# KiCad board keypad.kicad_pcb
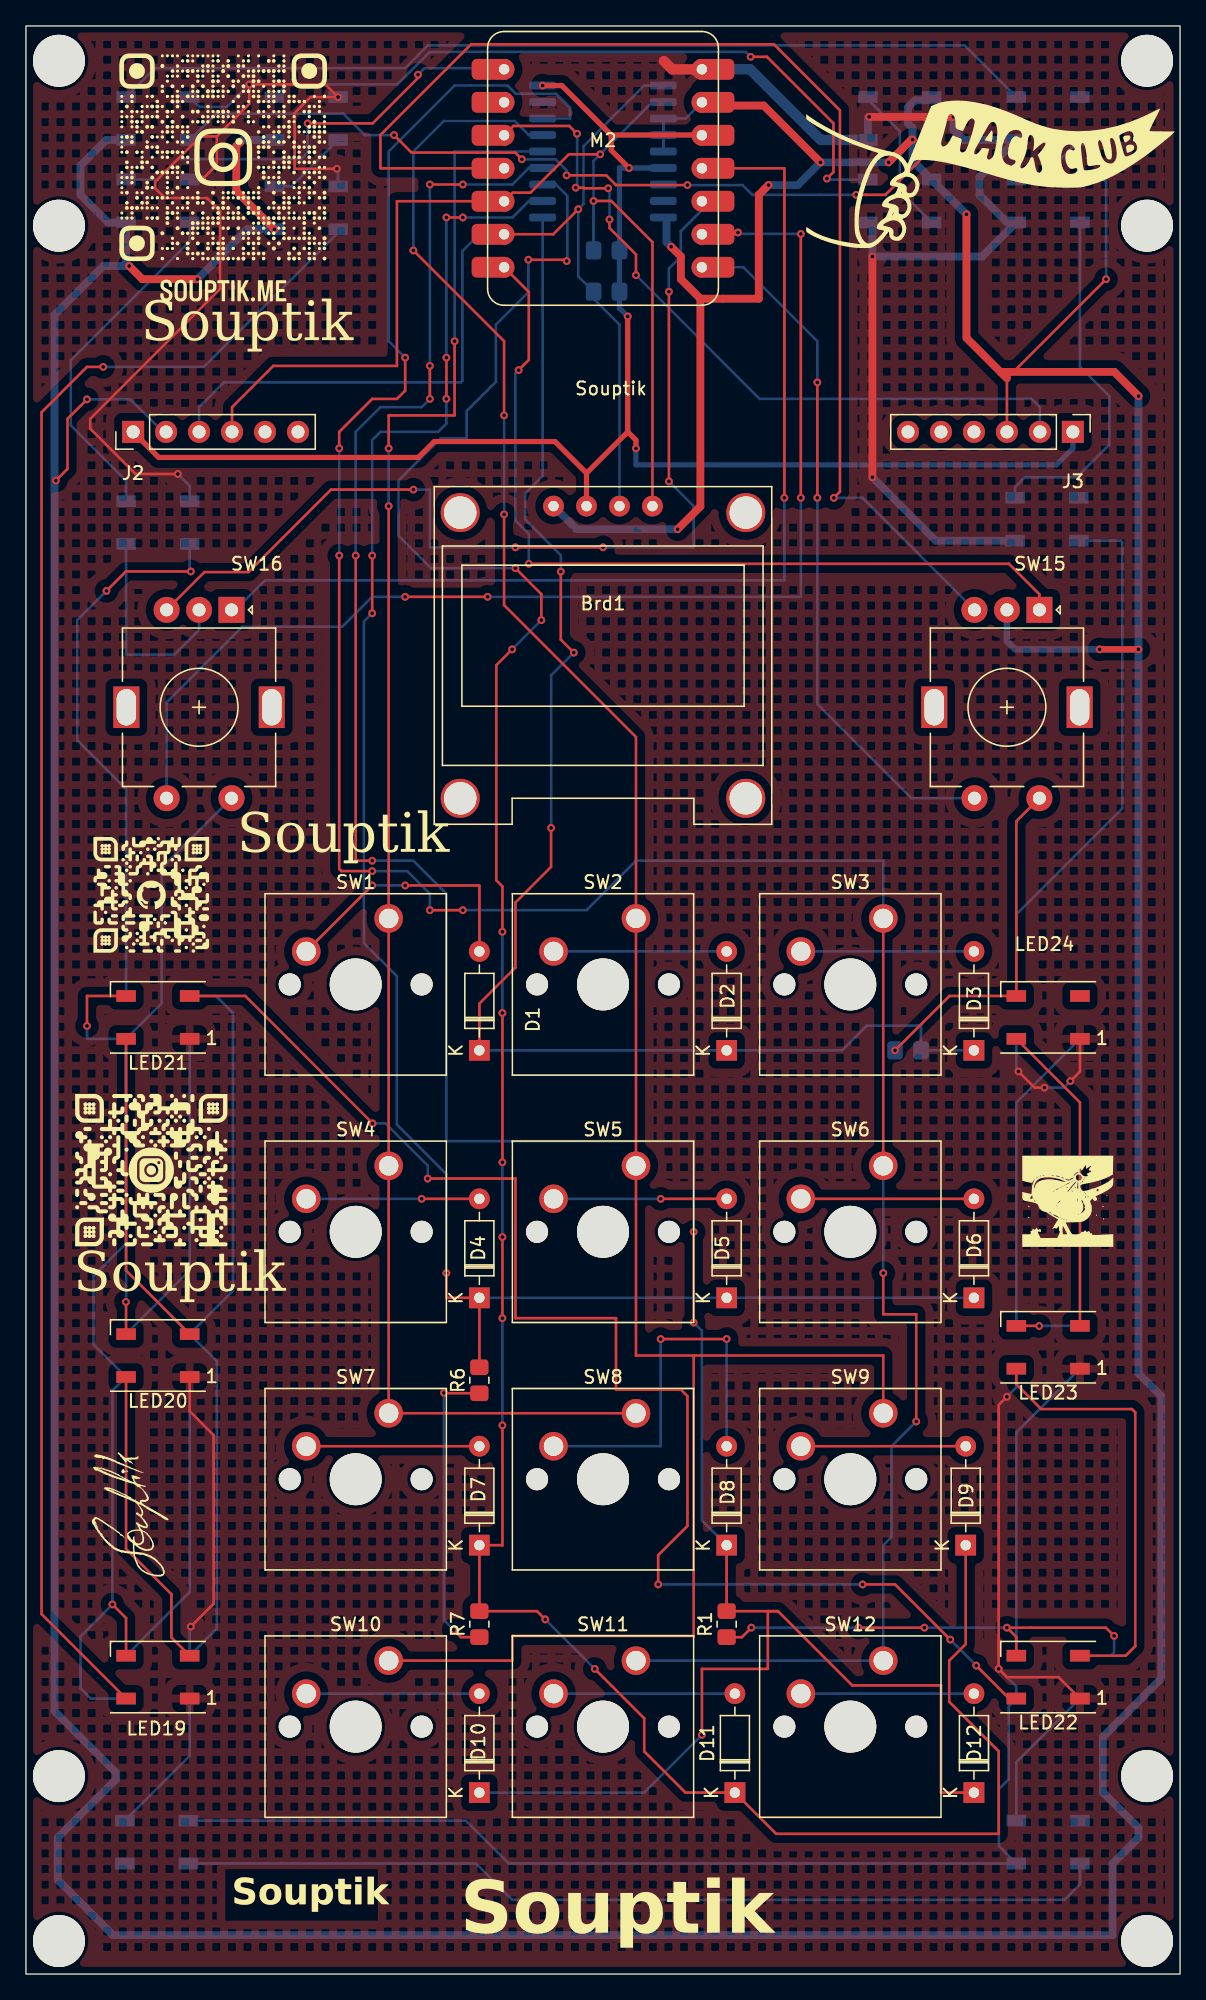
[diagram p0: board, top side]
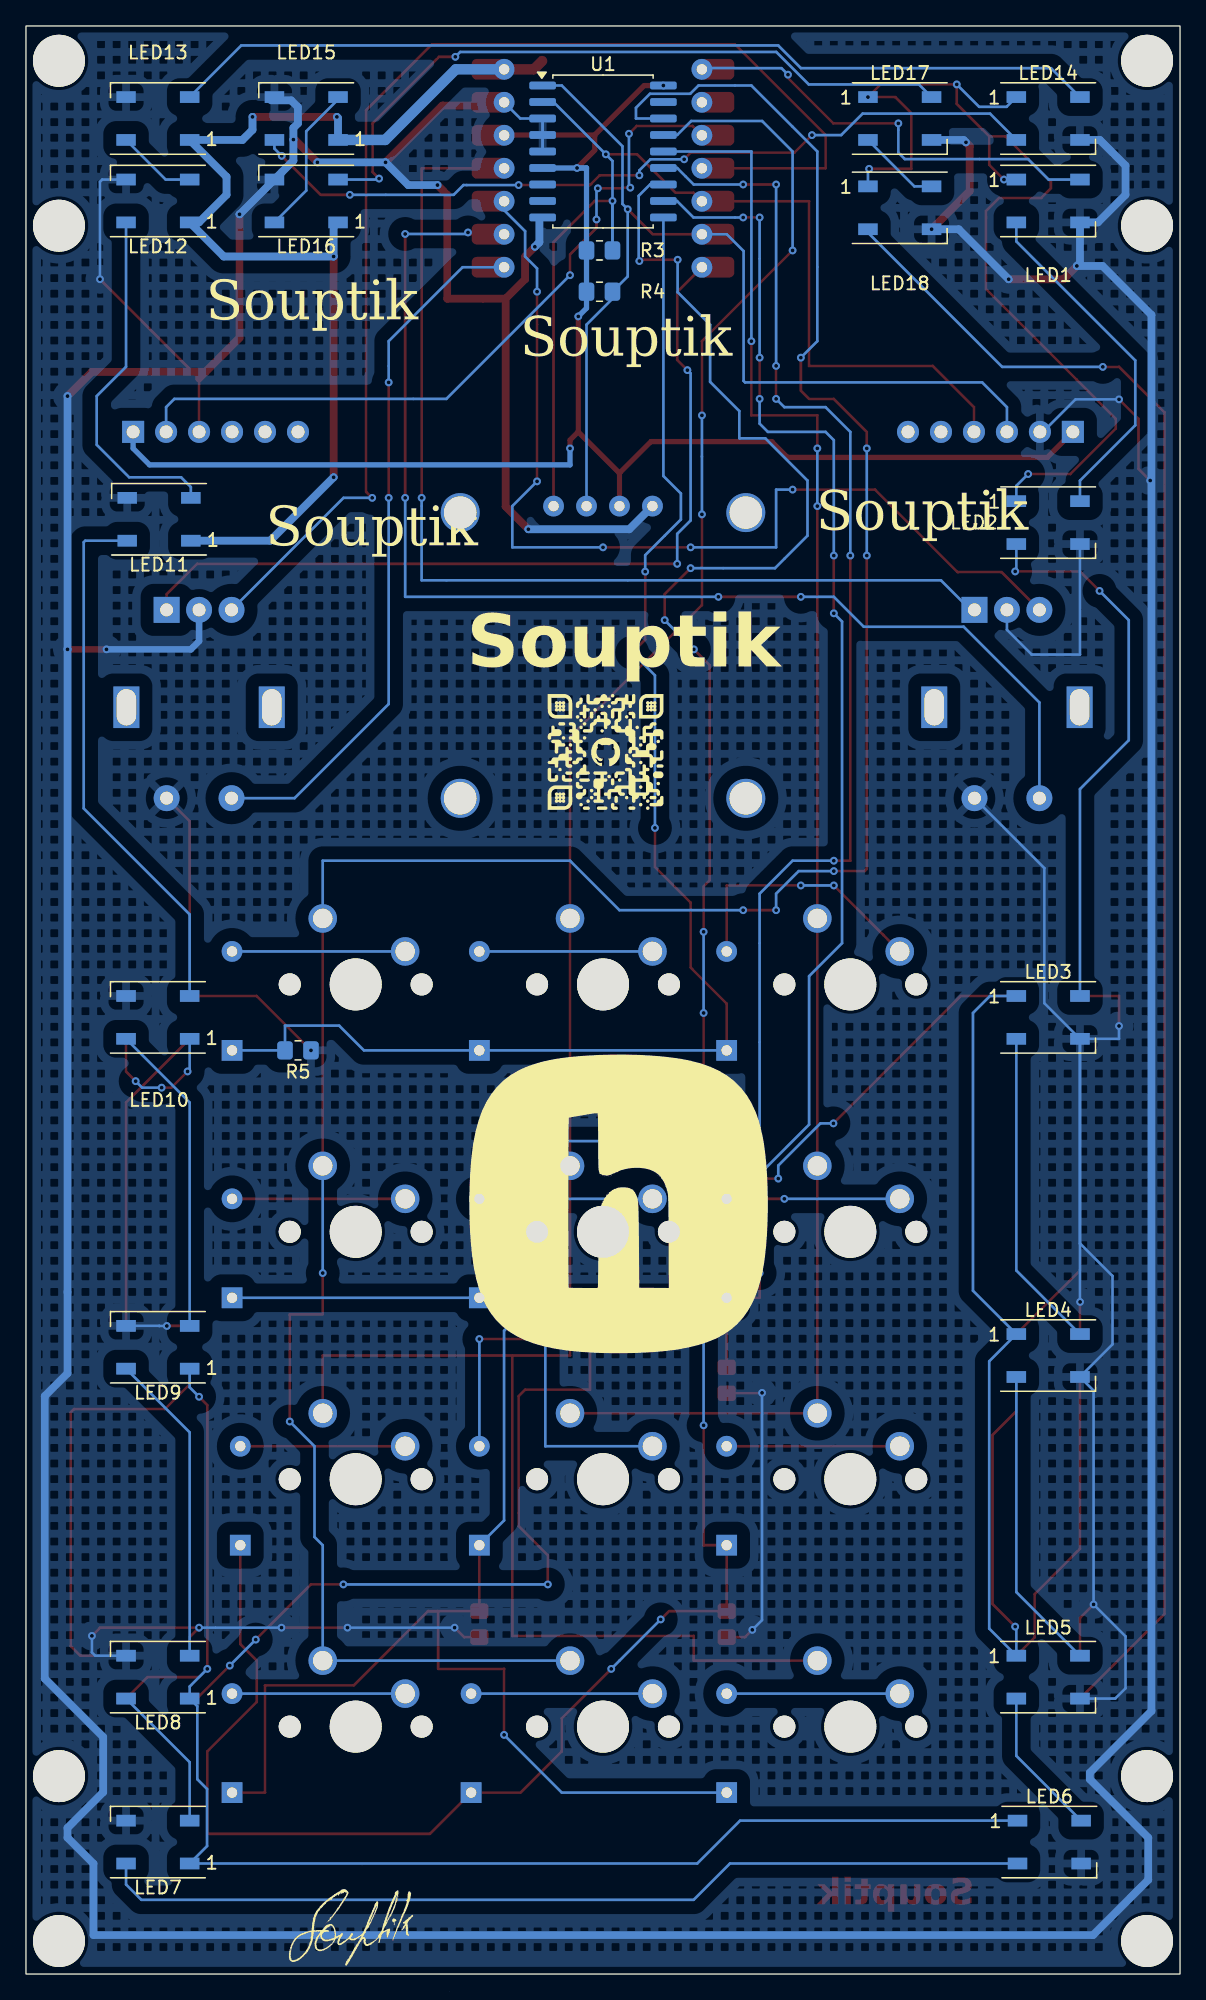
[diagram p1: board, bottom side, seen from below]

Outline 88.9 x 150 mm; copper layers: Top, Bottom. Coordinates in mm from the lower left corner of the outline.
Outline path: rectangle 0,150 88.9,0

## Placement (name value [footprint] x y rotation side)
Brd1  SSD1306  [SSD1306_0.96_Oled]  31.45 88.53 0 top
D1  D  [D_DO-35_SOD27_P7.62mm_Horizontal]  34.92 71.12 90 top
D2  D  [D_DO-35_SOD27_P7.62mm_Horizontal]  53.98 71.12 90 top
D3  D  [D_DO-35_SOD27_P7.62mm_Horizontal]  73.02 71.12 90 top
D4  D  [D_DO-35_SOD27_P7.62mm_Horizontal]  34.92 52.07 90 top
D5  D  [D_DO-35_SOD27_P7.62mm_Horizontal]  53.98 52.07 90 top
D6  D  [D_DO-35_SOD27_P7.62mm_Horizontal]  73.02 52.07 90 top
D7  D  [D_DO-35_SOD27_P7.62mm_Horizontal]  34.92 33.02 90 top
D8  D  [D_DO-35_SOD27_P7.62mm_Horizontal]  53.98 33.02 90 top
D9  D  [D_DO-35_SOD27_P7.62mm_Horizontal]  72.39 33.02 90 top
D10  D  [D_DO-35_SOD27_P7.62mm_Horizontal]  34.92 13.97 90 top
D11  D  [D_DO-35_SOD27_P7.62mm_Horizontal]  54.61 13.97 90 top
D12  D  [D_DO-35_SOD27_P7.62mm_Horizontal]  73.02 13.97 90 top
G***  LOGO  [githubacc]  9.65 83.1 0 top
G***#2  LOGO  [instagram]  15.19 138.53 0 top
G***#3  LOGO  [souptikSign]  8.2 37.25 90 top
G***#4  LOGO  [HackclubFlag]  74.32 138.63 0 top
G***#5  LOGO  [Telescope]  80.25 59.5 0 top
G***#6  LOGO  [instagramAcc-qr]  9.65 61.9 0 top
G***#7  LOGO  [Hackclub_logo]  43.25 59.3 180 bottom
G***#8  LOGO  [souptikSign]  62 3.42 180 bottom
G***#9  LOGO  [githubacc]  44.25 94.1 180 bottom
J2  VL53L0X  [PinHeader_1x06_P2.54mm_Vertical]  8.26 118.75 90 top
J3  DHT11  [PinHeader_1x06_P2.54mm_Vertical]  80.64 118.75 270 top
LED1  WS2812B  [LED_WS2812B_PLCC4_5.0x5.0mm_P3.2mm]  10.16 136.53 180 bottom
LED2  WS2812B  [LED_WS2812B_PLCC4_5.0x5.0mm_P3.2mm]  10.16 111.76 180 bottom
LED3  WS2812B  [LED_WS2812B_PLCC4_5.0x5.0mm_P3.2mm]  10.16 73.66 180 bottom
LED4  WS2812B  [LED_WS2812B_PLCC4_5.0x5.0mm_P3.2mm]  10.16 47.62 180 bottom
LED5  WS2812B  [LED_WS2812B_PLCC4_5.0x5.0mm_P3.2mm]  10.16 22.86 180 bottom
LED6  WS2812B  [LED_WS2812B_PLCC4_5.0x5.0mm_P3.2mm]  10.07 10.16 180 bottom
LED7  WS2812B  [LED_WS2812B_PLCC4_5.0x5.0mm_P3.2mm]  78.74 10.16 0 bottom
LED8  WS2812B  [LED_WS2812B_PLCC4_5.0x5.0mm_P3.2mm]  78.74 22.86 0 bottom
LED9  WS2812B  [LED_WS2812B_PLCC4_5.0x5.0mm_P3.2mm]  78.74 48.26 0 bottom
LED10  WS2812B  [LED_WS2812B_PLCC4_5.0x5.0mm_P3.2mm]  78.74 73.66 0 bottom
LED11  WS2812B  [LED_WS2812B_PLCC4_5.0x5.0mm_P3.2mm]  78.65 112.02 0 bottom
LED12  WS2812B  [LED_WS2812B_PLCC4_5.0x5.0mm_P3.2mm]  78.74 136.53 0 bottom
LED13  WS2812B  [LED_WS2812B_PLCC4_5.0x5.0mm_P3.2mm]  78.74 142.88 0 bottom
LED14  WS2812B  [LED_WS2812B_PLCC4_5.0x5.0mm_P3.2mm]  10.16 142.88 180 bottom
LED15  WS2812B  [LED_WS2812B_PLCC4_5.0x5.0mm_P3.2mm]  67.31 142.88 0 bottom
LED16  WS2812B  [LED_WS2812B_PLCC4_5.0x5.0mm_P3.2mm]  67.31 136.53 0 bottom
LED17  WS2812B  [LED_WS2812B_PLCC4_5.0x5.0mm_P3.2mm]  21.59 142.88 180 bottom
LED18  WS2812B  [LED_WS2812B_PLCC4_5.0x5.0mm_P3.2mm]  21.59 136 180 bottom
LED19  WS2812B  [LED_WS2812B_PLCC4_5.0x5.0mm_P3.2mm]  10.16 22.86 180 top
LED20  WS2812B  [LED_WS2812B_PLCC4_5.0x5.0mm_P3.2mm]  10.16 47.62 180 top
LED21  WS2812B  [LED_WS2812B_PLCC4_5.0x5.0mm_P3.2mm]  10.16 73.66 180 top
LED22  WS2812B  [LED_WS2812B_PLCC4_5.0x5.0mm_P3.2mm]  78.74 22.86 180 top
LED23  WS2812B  [LED_WS2812B_PLCC4_5.0x5.0mm_P3.2mm]  78.74 48.26 180 top
LED24  WS2812B  [LED_WS2812B_PLCC4_5.0x5.0mm_P3.2mm]  78.74 73.66 180 top
M2  MOUDLE-SEEEDUINO-XIAO  [RP2040]  35.56 128.49 0 top
NOREF  -  [unnamed]  86.36 134.62 0 top
NOREF#2  -  [unnamed]  86.36 147.32 0 top
NOREF#3  -  [unnamed]  86.36 2.54 180 top
NOREF#4  -  [unnamed]  2.54 2.54 180 top
NOREF#5  -  [unnamed]  2.54 15.24 180 top
NOREF#6  -  [unnamed]  86.36 15.24 180 top
NOREF#7  -  [unnamed]  2.54 147.32 0 top
NOREF#8  -  [unnamed]  2.54 134.62 0 top
R1  10K  [R_0805_2012Metric_Pad1.20x1.40mm_HandSolder]  53.98 26.94 90 top
R3  4.7K  [R_0805_2012Metric_Pad1.20x1.40mm_HandSolder]  44.72 132.72 180 bottom
R4  4.7K  [R_0805_2012Metric_Pad1.20x1.40mm_HandSolder]  44.72 129.54 180 bottom
R5  10K  [R_0805_2012Metric_Pad1.20x1.40mm_HandSolder]  67.95 71.12 0 bottom
R6  10K  [R_0805_2012Metric_Pad1.20x1.40mm_HandSolder]  34.92 45.72 90 top
R7  10K  [R_0805_2012Metric_Pad1.20x1.40mm_HandSolder]  34.92 26.94 90 top
SW1  SW_Push_45deg  [SW_Cherry_MX_1.00u_PCB]  27.94 81.28 0 top
SW2  SW_Push_45deg  [SW_Cherry_MX_1.00u_PCB]  46.99 81.28 0 top
SW3  SW_Push_45deg  [SW_Cherry_MX_1.00u_PCB]  66.04 81.28 0 top
SW4  SW_Push_45deg  [SW_Cherry_MX_1.00u_PCB]  27.94 62.23 0 top
SW5  SW_Push_45deg  [SW_Cherry_MX_1.00u_PCB]  46.99 62.23 0 top
SW6  SW_Push_45deg  [SW_Cherry_MX_1.00u_PCB]  66.04 62.23 0 top
SW7  SW_Push_45deg  [SW_Cherry_MX_1.00u_PCB]  27.94 43.18 0 top
SW8  SW_Push_45deg  [SW_Cherry_MX_1.00u_PCB]  46.99 43.18 0 top
SW9  SW_Push_45deg  [SW_Cherry_MX_1.00u_PCB]  66.04 43.18 0 top
SW10  SW_Push_45deg  [SW_Cherry_MX_1.00u_PCB]  27.94 24.13 0 top
SW11  SW_Push_45deg  [SW_Cherry_MX_1.00u_PCB]  46.99 24.13 0 top
SW12  SW_Push_45deg  [SW_Cherry_MX_1.00u_PCB]  66.04 24.13 0 top
SW15  RotaryEncoder_Switch  [RotaryEncoder_Alps_EC11E-Switch_Vertical_H20mm]  78.07 105.04 270 top
SW16  RotaryEncoder_Switch  [RotaryEncoder_Alps_EC11E-Switch_Vertical_H20mm]  15.84 105.04 270 top
U1  MCP23008-xSO  [SOIC-18W_7.5x11.6mm_P1.27mm]  44.45 140.34 180 bottom

## Library data of the parts
Brd1 = -: Description: SSD1306 OLED; ki_fp_filters: SSD1306-128x64_OLED:SSD1306
D1-D12 = -: Description: Diode; Sim.Pins: 1=K 2=A; ki_fp_filters: TO-???* *_Diode_* *SingleDiode* D_*
J2 J3 = -: Description: Generic connector, single row, 01x06, script generated; ki_fp_filters: Connector*:*_1x??_*
LED1-LED24 = -: Datasheet: https://cdn-shop.adafruit.com/datasheets/WS2812B.pdf; Description: RGB LED with integrated controller; ki_fp_filters: LED*WS2812*PLCC*5.0x5.0mm*P3.2mm*
R1 R3-R7 = -: Description: Resistor; ki_fp_filters: R_*
SW1-SW12 = -: Description: Push button switch, normally open, two pins, 45° tilted
SW15 SW16 = -: Description: Rotary encoder, dual channel, incremental quadrate outputs, with switch; ki_fp_filters: RotaryEncoder*Switch*
U1 = -: Datasheet: http://ww1.microchip.com/downloads/en/DeviceDoc/MCP23008-MCP23S08-Data-Sheet-20001919F.pdf; Description: 8-bit I/O expander, I2C, interrupts, SOIC-18; ki_fp_filters: SOIC*7.5x11.6mm*P1.27mm*

## Footprints (pads in the part's own frame, mm; a bottom-side part is the same pattern mirrored in y, then rotated)
D_DO-35_SOD27_P7.62mm_Horizontal
  rect 1.6x1.6 hole 0.8: 1(0,0)
  oval 1.6x1.6 hole 0.8: 2(7.62,0)
LED_WS2812B_PLCC4_5.0x5.0mm_P3.2mm
  rect 1.5x0.9 smd: 1(-2.45,1.65) 2(-2.45,-1.65) 3(2.45,-1.65) 4(2.45,1.65)
PinHeader_1x06_P2.54mm_Vertical
  rect 1.7x1.7 hole 1: 1(0,0)
  oval 1.7x1.7 hole 1: 2(0,-2.54) 3(0,-5.08) 4(0,-7.62) 5(0,-10.16) 6(0,-12.7)
R_0805_2012Metric_Pad1.20x1.40mm_HandSolder
  rrect 1.2x1.4 smd: 1(-1,0) 2(1,0)
RotaryEncoder_Alps_EC11E-Switch_Vertical_H20mm
  rect 2x2 hole 1: A(0,0)
  round 2 hole 1: B(0,-5) C(0,-2.5) S1(14.5,-5) S2(14.5,0)
  rect 3.2x2 hole 2.8x1.5: MP(7.5,3.1) MP(7.5,-8.1)
RP2040
  round 1.6 hole 0.8: 1(1.272,18.171) 2(1.272,15.631) 3(1.272,13.091) 4(1.272,10.551) 5(1.272,8.011) 6(1.272,5.471) 7(1.272,2.931) 8(16.508,2.931) 9(16.508,5.471) 10(16.508,8.011) 11(16.508,10.551) 12(16.508,13.091) 13(16.508,15.631) 14(16.508,18.171)
  rrect 3x1.6 smd: 1(1.272,18.171) 2(1.272,15.631) 3(1.272,13.091) 4(1.272,10.551) 5(1.272,8.011) 6(1.272,5.471) 7(1.272,2.931) 8(16.508,2.931) 9(16.508,5.471) 10(16.508,8.011) 11(16.508,10.551) 12(16.508,13.091) 13(16.508,15.631) 14(16.508,18.171)
SOIC-18W_7.5x11.6mm_P1.27mm
  rrect 2.05x0.6 smd: 1(-4.65,5.08) 2(-4.65,3.81) 3(-4.65,2.54) 4(-4.65,1.27) 5(-4.65,0) 6(-4.65,-1.27) 7(-4.65,-2.54) 8(-4.65,-3.81) 9(-4.65,-5.08) 10(4.65,-5.08) 11(4.65,-3.81) 12(4.65,-2.54) 13(4.65,-1.27) 14(4.65,0) 15(4.65,1.27) 16(4.65,2.54) 17(4.65,3.81) 18(4.65,5.08)
SSD1306_0.96_Oled
  round 3 hole 2.5 unplated: (2,24) (2,2) (24,24) (24,2)
  round 1.6 hole 0.8: 1(9.19,24.5) 2(11.73,24.5) 3(14.27,24.5) 4(16.81,24.5)
SW_Cherry_MX_1.00u_PCB
  round 1.7 hole 1.7 unplated: (-7.62,-5.08) (2.54,-5.08)
  round 4 hole 4 unplated: (-2.54,-5.08)
  round 2.2 hole 1.5: 1(0,0) 2(-6.35,-2.54)
unnamed
  round 4 hole 4 unplated: (0,0)

## Nets
3.3V: Brd1.2 J2.1 J3.1 M2.12 R3.1 R4.1 U1.6 U1.18
5V: LED1.1 LED2.1 LED3.1 LED4.1 LED5.1 LED6.1 LED7.1 LED8.1 LED9.1 LED10.1 LED11.1 LED12.1 LED13.1 LED14.1 LED15.1 LED16.1 LED17.1 LED18.1 LED19.1 LED20.1 LED21.1 LED22.1 LED23.1 LED24.1 M2.14
GND: Brd1.1 J2.2 J3.3 LED1.3 LED2.3 LED3.3 LED4.3 LED5.3 LED6.3 LED7.3 LED8.3 LED9.3 LED10.3 LED11.3 LED12.3 LED13.3 LED14.3 LED15.3 LED16.3 LED17.3 LED18.3 LED19.3 LED20.3 LED21.3 LED22.3 LED23.3 LED24.3 M2.13 R1.1 R5.1 R6.1 R7.1 SW15.C SW15.S2 SW16.C SW16.S2 U1.3 U1.4 U1.5 U1.9
C0: SW1.1 SW4.1 SW7.1 SW8.1 U1.14
C1: SW2.1 SW5.1 SW9.1 SW10.1 U1.15
C2: SW3.1 SW6.1 SW11.1 SW12.1 U1.16
D2: J3.2 M2.3
DOUT0: LED4.2 LED5.4
DOUT1: LED8.2 LED9.4
DOUT1-1: LED12.2 LED13.4
DOUT2: LED16.2 LED17.4
DOUT2-1: LED20.2 LED21.4
ENC_A: M2.7 SW15.A
ENC_A1: M2.11 SW16.A
ENC_B: M2.4 SW15.B
ENC_B1: M2.10 SW16.B
ENC_SW: M2.8 SW15.S1
ENC_SW1: M2.9 SW16.S1
R0: D1.1 D2.1 D3.1 R5.2 U1.10
R1: D4.1 D5.1 D6.1 R6.2 U1.11
R2: D7.1 D9.1 D11.1 R7.2 U1.12
R3: D8.1 D10.1 D12.1 R1.2 U1.13
RGB: LED1.4 M2.1
SCL: Brd1.3 J2.3 M2.6 R4.2 U1.1
SDA: Brd1.4 J2.4 M2.5 R3.2 U1.2
Net-(D1-A): D1.2 SW1.2
Net-(D2-A): D2.2 SW2.2
Net-(D3-A): D3.2 SW3.2
Net-(D4-A): D4.2 SW4.2
Net-(D5-A): D5.2 SW5.2
Net-(D6-A): D6.2 SW6.2
Net-(D7-A): D7.2 SW7.2
Net-(D8-A): D8.2 SW8.2
Net-(D9-A): D9.2 SW9.2
Net-(D10-A): D10.2 SW10.2
Net-(D11-A): D11.2 SW11.2
Net-(D12-A): D12.2 SW12.2
Net-(LED1-DOUT): LED1.2 LED2.4
Net-(LED2-DOUT): LED2.2 LED3.4
Net-(LED3-DOUT): LED3.2 LED4.4
Net-(LED5-DOUT): LED5.2 LED6.4
Net-(LED6-DOUT): LED6.2 LED7.4
Net-(LED7-DOUT): LED7.2 LED8.4
Net-(LED10-DIN): LED9.2 LED10.4
Net-(LED10-DOUT): LED10.2 LED11.4
Net-(LED11-DOUT): LED11.2 LED12.4
Net-(LED13-DOUT): LED13.2 LED14.4
Net-(LED14-DOUT): LED14.2 LED15.4
Net-(LED15-DOUT): LED15.2 LED16.4
Net-(LED17-DOUT): LED17.2 LED18.4
Net-(LED18-DOUT): LED18.2 LED19.4
Net-(LED19-DOUT): LED19.2 LED20.4
Net-(LED21-DOUT): LED21.2 LED22.4
Net-(LED22-DOUT): LED22.2 LED23.4
Net-(LED23-DOUT): LED23.2 LED24.4

Pads without a net: J2 5 6; J3 4 5 6; LED24 2; M2 2; SW15 MP; SW16 MP; U1 7 8 17

## Via types
v1: diameter 0.6, hole 0.3, Top to Bottom, 143 vias

## Routing (per net, layer and track width the routed paths; a pad name or vN(x,y) marks a point on that pad's centre or on a via; arc(x,y) is an arc through that point)
3.3V: length 124.2
  Top w0.4: 45.09,141.6 45.09,140.43 v1(46.45,139.06) ; 45.09,141.6 52.05,141.6 M2.12 ; 45.09,141.6 41.28,145.41 v1(39.8,145.41) ; 43.18,115.57 40.75,118 31.45,118 30.23,116.78 10.23,116.78 J2.1 ; 43.18,115.57 46.36,118.75 ; 43.18,115.57 Brd1.2 ; 46.36,118.75 v1(46.36,127.63) ; 46.36,118.75 46.99,118.11 v1(46.99,117.47)
  Bottom w0.4: v1(46.36,127.63) 45.72,128.27 R4.1 R3.1 45.72,139.06 ; v1(46.45,139.06) 45.72,139.06 ; 45.72,139.06 U1.6 ; J3.1 80.64,117.47 79.38,116.2 46.99,116.2 v1(46.99,117.47)
5V: length 369.5
  Top w0.2: v1(75.57,44.45) 74.93,43.81 v1(74.93,23.5) 75.57,22.86 79.54,22.86 LED22.1 ; LED24.1 81.19,69.49 v1(80.45,68.75) ; LED20.1 12.61,43.34 14.45,41.5 14.45,28.5 v1(12.7,26.75) ; v1(76.45,69.5) 77.7,68.25 v1(78.45,68.25) ; 48.85,147.3 49.14,147.3 ; 14.7,141.5 17.2,144 v1(17.2,145.5) 23.06,145.5 v1(24.04,144.53) 21.93,144.53 20.7,143.3 20.7,139 v1(23.95,139) ; 14.7,141.5 13.45,141.5 9.95,138 9.95,137.5 10.7,136.75 13.95,136.75 14.95,135.75 14.95,129.75 4.95,119.75 4.95,119 8.45,115.5 v1(11.7,115.5) ; 14.7,141.5 14.7,139.31 v1(13.56,138.18)
  Top w0.6: v1(65.2,115.25) v1(65.2,132.25) ; v1(64.95,143) v1(71.45,143)
  Top w0.8: M2.14 49.78,146.66 49.14,147.3
  Bottom w0.2: v1(80.45,68.75) 79.95,68.25 v1(78.45,68.25) ; v1(74.93,23.5) 76.29,22.13 LED8.1 75.7,20.62 75.7,15 74.95,14.25 74.95,9.85 LED7.1 37.19,8.51 33.89,11.81 LED6.1 ; LED9.1 76.29,45.18 v1(75.57,44.45) ; v1(12.7,26.75) 12.61,26.66 LED5.1 14.7,26.6 14.7,47.19 LED4.1 15.95,52.62 15.95,74 14.64,75.31 LED3.1 ; v1(13.56,138.18) LED1.1 ; v1(23.95,139) 24.04,138.91 LED18.1 ; v1(17.2,145.5) 15.48,143.78 13.36,143.78 LED14.1 ; v1(11.7,115.5) 12.61,114.59 LED2.1 ; LED10.1 76.29,69.66 v1(76.45,69.5)
  Bottom w0.6: v1(65.2,115.25) 70.08,110.36 LED11.1 ; LED16.1 65.2,134.53 v1(65.2,132.25) 73.67,132.25 LED12.1 75.58,134.88 73.45,137 73.45,138.38 LED13.1 72.23,141.22 71.45,142 v1(71.45,143) ; LED15.1 64.86,142.91 v1(64.95,143)
  Bottom w0.8: M2.14 55.79,146.66 61.23,141.22 LED15.1
GND: length 772.4
  Top w0.2: v1(6.66,28.46) 7.71,27.41 LED19.3 ; v1(78.05,49.9) 78.04,49.91 LED23.3 ; LED20.3 7.71,51.74 v1(7.7,51.75) ; v1(2.3,115) 3.2,115.9 3.2,119.75 v1(4.7,121.25) ; v1(32.2,44.75) 32.23,44.72 R6.1 ; v1(83.82,26.03) 83.19,26.67 v1(75.57,26.67) 76.29,25.94 LED22.3 ; LED21.3 4.7,75.31 v1(4.7,73) ; R7.1 33.51,25.94 v1(32.95,26.5) ; v1(66.95,71.12) 71.14,75.31 LED24.3 76.29,88.77 SW15.S2 ; v1(64.14,26.67) v1(69.21,26.67) ; v1(83.2,130.5) 75.57,122.86 75.57,118.75 ; v1(55.88,26.67) 55.15,25.94 R1.1
  Top w0.5: v1(82.7,102) v1(85.7,102)
  Top w0.6: v1(49.7,133) 50.45,132.25 50.45,130.5 51.95,129 ; 75.07,123.36 75.57,122.86 ; 75.07,123.36 83.83,123.36 v1(85.7,121.5) ; 75.07,123.36 72.45,125.98 v1(72.45,135.5) ; v1(13.2,130.5) 8.97,130.5 v1(7.95,131.52) ; v1(16.49,141.04) 16.2,140.75 16.2,137.29 v1(19.14,134.35) ; v1(61.2,139.5) 56.83,143.87 52.32,143.87 ; v1(66.45,139.5) 68.2,141.25 v1(68.3,141.25) ; 51.95,129 51.95,113 v1(50.2,111.25) ; 51.95,129 56.45,129 56.45,137 v1(57.2,137.75)
  Bottom w0.2: SW16.S2 10.45,85.16 10.45,74.75 LED3.3 ; LED12.3 83.02,138.18 83.2,138 v1(83.2,130.5) ; v1(83.82,26.03) 83.82,24.76 83.57,24.51 LED8.3 ; LED3.3 7.71,56.26 5.2,53.75 5.2,48.49 LED4.3 6.66,44.93 v1(6.66,28.46) 4.2,26 4.2,22 4.99,21.21 LED5.3 ; LED3.3 4.7,72.01 v1(4.7,73) ; LED3.3 7.71,51.76 v1(7.7,51.75) ; LED9.3 78.64,49.91 78.63,49.9 v1(78.05,49.9) ; v1(75.57,26.67) v1(69.21,26.67) ; SW16.C 13.34,103.5 11.43,101.6 7.71,101.6 LED2.3 ; v1(32.95,26.5) 32.2,27.25 v1(32.2,44.75) ; U1.3 50.82,142.88 M2.13 ; U1.3 U1.5 U1.3 ; v1(55.88,26.67) v1(64.14,26.67) ; 10.8,118.75 10.8,118.08 10.8,118.5 8.05,121.25 v1(4.7,121.25)
  Bottom w0.5: v1(82.7,102) 76.2,102 75.57,102.64 SW15.C
  Bottom w0.6: v1(85.7,121.5) v1(85.7,102) 85.7,46.25 87.45,44.5 87.45,22.75 82.95,18.25 82.95,14 85.7,11.25 85.7,10.5 83.7,8.5 83.7,3 6.7,3 2.45,7.25 2.45,10.5 6.95,15 6.95,15.5 2.2,20.25 2.2,127.75 5.97,131.52 v1(7.95,131.52) 7.71,131.76 LED1.3 6.33,134.88 4.2,137 4.2,139.25 6.17,141.22 LED14.3 ; v1(19.14,134.35) 17.05,134.35 v1(13.2,130.5) ; Brd1.1 42.42,111.25 v1(50.2,111.25) ; 70.01,144.28 68.48,144.28 67.95,143.75 67.95,142.5 68.3,142.15 v1(68.3,141.25) 68.3,139.63 72.44,135.5 v1(72.45,135.5) ; v1(49.7,133) 49.35,133.35 49.35,135 ; LED17.3 16.67,141.22 v1(16.49,141.04) ; v1(57.2,137.75) 59.45,137.75 v1(61.2,139.5) v1(66.45,139.5)
C0: length 128.1
  Top w0.2: v1(33.02,125.73) 33.02,120.02 27.94,120.02 v1(27.94,117.47) ; v1(27.94,113.03) SW1.1 SW4.1 SW7.1 SW8.1
  Bottom w0.2: U1.14 33.02,140.34 v1(33.02,125.73) ; v1(27.94,117.47) v1(27.94,113.03)
C1: length 181.7
  Top w0.2: 51.44,47.62 46.99,47.62 SW5.1 SW2.1 46.99,95.25 36.83,105.41 v1(36.83,112.39) ; 51.44,47.62 51.44,26.03 37.47,26.03 37.47,24.13 SW10.1 ; 51.44,47.62 66.04,47.62 SW9.1 ; v1(29.84,132.72) 36.83,125.73 v1(36.83,120.02)
  Bottom w0.2: 39.8,141.6 38.73,141.6 37.66,142.68 32.19,142.68 29.84,140.34 v1(29.84,132.72) ; v1(36.83,112.39) v1(36.83,120.02)
C2: length 208.5
  Top w0.2: v1(24.13,117.47) 24.13,118.75 26.67,121.28 28.58,121.28 29.21,121.92 v1(29.21,124.46) ; v1(31.12,81.92) v1(33.66,81.92) ; v1(68.58,42.54) 68.58,50.8 66.04,50.8 v1(66.04,53.97) ; v1(24.13,109.22) 24.13,85.09 24.3,84.92 v1(26.67,84.92) ; SW6.1 SW3.1
  Bottom w0.2: v1(24.13,117.47) v1(24.13,109.22) ; v1(68.58,42.54) 66.67,40.64 66.67,33.66 66.04,33.02 SW12.1 SW11.1 ; SW6.1 v1(66.04,53.97) ; U1.16 41.91,142.88 41.91,143.7 40.83,144.78 37.73,144.78 37.1,145.41 33.02,145.41 27.94,140.34 27.94,125.73 v1(29.21,124.46) ; v1(26.67,84.92) 29.38,84.92 31.12,83.19 v1(31.12,81.92) ; v1(33.66,81.92) 43.18,81.92 46.99,85.72 66.04,85.72 SW3.1
D2: length 57.7
  Top w0.2: v1(42.45,141.7) 41.85,142.3 37.55,142.3 M2.3 ; v1(44.95,135.1) 44.95,134.45 46.99,132.41 v1(46.99,130.81) ; v1(42.35,137.55) 42.97,137.55 43.02,137.5 v1(44.85,137.5)
  Bottom w0.2: J3.2 78.11,120.65 77.47,121.28 56.52,121.28 v1(46.99,130.81) ; v1(42.45,141.7) 42.45,137.65 v1(42.35,137.55) ; v1(44.85,137.5) 44.95,137.4 v1(44.95,135.1)
DOUT0: length 23.5
  Bottom w0.2: LED5.4 12.61,29.41 LED4.2
DOUT1: length 24.1
  Bottom w0.2: LED9.4 76.29,41.71 LED8.2
DOUT1-1: length 6.2
  Bottom w0.2: LED13.4 78.14,138.18 LED12.2
DOUT2: length 54.4
  Top w0.2: v1(55.83,147.62) 57.08,147.62 62.2,142.5 62.2,138.75 v1(61.7,138.25)
  Bottom w0.2: v1(55.83,147.62) 55.45,148 31.1,148 28.6,145.5 20.12,145.5 LED17.4 ; LED16.2 61.77,138.18 v1(61.7,138.25)
DOUT2-1: length 24.8
  Top w0.2: LED21.4 7.71,54.18 LED20.2
ENC_A: length 66
  Top w0.2: SW15.A 78.07,106.24 75.72,108.58 v1(38.73,108.58) ; 36.83,131.42 38.73,129.52 38.73,124.28 v1(37.95,123.5)
  Bottom w0.2: v1(37.95,123.5) 37.7,123.25 37.7,111.93 38.73,110.89 v1(38.73,108.58)
ENC_A1: length 81.6
  Top w0.2: M2.11 58.42,139.04 v1(58.42,113.67)
  Bottom w0.2: SW16.A 16.14,105.04 18.42,107.31 58.42,107.31 v1(58.42,113.67)
ENC_B: length 96.9
  Top w0.2: v1(62.23,113.67) 62.7,114.14 62.7,143.51 57.62,148.59 34.29,148.59 27.31,141.6 27.31,139.06 27.33,139.04 M2.4
  Bottom w0.2: SW15.B 64.44,113.67 v1(62.23,113.67)
ENC_B1: length 77.4
  Top w0.2: v1(29.84,114.3) 23.5,114.3 17.14,107.95 13.75,107.95 SW16.B ; v1(44.45,109.86) v1(37.7,109.86) ; v1(49.53,114.94) v1(49.53,129.54)
  Bottom w0.2: M2.10 52.07,135.82 50.45,134.2 50.45,132.25 49.53,131.33 v1(49.53,129.54) ; v1(29.84,114.3) 31.12,114.3 31.12,109.86 v1(37.7,109.86) ; v1(49.53,114.94) 51.44,113.03 51.44,109.86 v1(44.45,109.86)
ENC_SW: length 54.3
  Top w0.2: v1(60.96,122.56) v1(60.96,113.67)
  Bottom w0.2: v1(60.96,113.67) 60.96,97.79 68.21,90.54 SW15.S1 ; v1(60.96,122.56) 60.96,125.73 55.27,131.42 52.07,131.42
ENC_SW1: length 95.3
  Top w0.2: v1(54.85,134.1) 54.71,133.96 52.07,133.96 ; v1(29.21,106.05) v1(35.56,106.05) ; v1(59.69,113.67) v1(59.69,133.99)
  Bottom w0.2: 52.09,133.99 52.07,133.96 ; v1(35.56,106.05) 59.69,106.05 v1(59.69,113.67) ; v1(29.21,106.05) 26.67,106.05 24.37,103.74 16.67,103.74 10.84,97.91 SW16.S1 ; v1(54.85,134.1) 54.96,133.99 v1(59.69,133.99)
R0: length 110.1
  Top w0.2: v1(42.2,101.75) 41.2,102.75 v1(41.2,107.98) ; D1.1 34.92,74.72 37.7,77.5 37.7,82.5 40.45,85.25 v1(40.45,88.25)
  Bottom w0.2: v1(41.2,107.98) 41.2,109.25 38.45,112 38.45,114 39.8,115.35 U1.10 ; v1(42.2,101.75) 40.45,100 v1(40.45,88.25) ; D1.1 D2.1 62.86,71.12 64.77,73.03 68.95,73.03 R5.2 D3.1
R1: length 145
  Top w0.2: v1(32.39,124.46) v1(32.39,121.28) ; v1(26.67,109.22) v1(26.67,104.78) ; v1(33.66,135.25) v1(32.39,135.25) ; v1(32.39,53.97) 32.39,52.07 D4.1 R6.2
  Bottom w0.2: v1(32.39,135.25) v1(32.39,124.46) ; D6.1 D5.1 D4.1 ; v1(26.67,109.22) 26.67,118.11 27.31,118.75 31.75,118.75 32.39,119.38 v1(32.39,121.28) ; v1(26.67,104.78) 26.03,104.14 26.03,79.38 28.58,76.83 28.58,65.41 32.39,61.59 v1(32.39,53.97) ; v1(33.66,135.25) 37.48,135.25 38.75,136.53 U1.11
R2: length 204.4
  Top w0.2: v1(36.7,62.5) v1(36.7,74) ; v1(43.81,23.5) 47.63,19.69 47.63,17.15 50.8,13.97 D11.1 57.79,10.79 74.93,10.79 74.93,17.15 71.12,20.96 71.12,24.13 72.39,25.4 D9.1 ; v1(36.7,80.25) 36.7,83.75 36.23,84.22 36.23,100.78 v1(37.45,102) ; v1(40.01,27.31) 39.37,27.94 R7.2 D7.1 36.68,33.02 36.7,33 v1(36.7,42.25) ; v1(38.7,132) 41.55,132 v1(41.65,131.9) ; v1(36.7,50.5) v1(36.7,56.75) ; v1(37.7,108.25) 39.7,106.25 v1(39.7,104.25)
  Bottom w0.2: v1(36.7,42.25) v1(36.7,50.5) ; v1(40.01,27.31) v1(43.81,23.5) ; v1(38.7,132) 38.7,129.5 36.2,127 36.2,122.6 33.95,120.35 33.95,118.25 31.95,118.25 28.7,115 28.7,110.75 31.2,108.25 v1(37.7,108.25) ; v1(36.7,74) v1(36.7,80.25) ; v1(37.45,102) v1(39.7,104.25) ; v1(36.7,56.75) v1(36.7,62.5) ; U1.12 40.82,137.8 41.7,136.92 41.7,131.95 v1(41.65,131.9)
R3: length 212.9
  Top w0.2: D8.1 R1.2 57.93,27.94 ; v1(25.4,109.22) 25.4,85.72 v1(26.67,85.72) ; 57.93,27.94 57.15,27.94 57.15,23.5 52.07,23.5 v1(52.07,18.41) ; 57.93,27.94 63.65,22.22 70.48,22.22 70.48,13.97 D12.1 ; v1(31.12,123.83) v1(31.12,121.28) ; v1(51.44,57.15) v1(51.44,50.16) ; v1(33.66,137.8) v1(31.12,137.8)
  Bottom w0.2: U1.13 38.73,139.06 37.47,137.8 v1(33.66,137.8) ; v1(31.12,121.28) 30.48,120.65 27.31,120.65 25.4,118.75 v1(25.4,109.22) ; v1(51.44,50.16) 52.07,49.53 52.07,34.93 D8.1 ; v1(51.44,57.15) 51.44,64.14 32.39,64.14 32.39,83.19 29.84,85.72 v1(26.67,85.72) ; v1(52.07,18.41) 47.63,13.97 D10.1 ; v1(31.12,137.8) v1(31.12,123.83)
RGB: length 34.2
  Top w0.2: v1(21.7,142.5) 26.7,142.5 30.2,146 v1(30.2,146.25)
  Bottom w0.2: v1(30.2,146.25) 30.7,146.75 36.75,146.75 M2.1 ; v1(21.7,142.5) 21.7,140.25 21.2,139.75 11.7,139.75 10.12,138.18 LED1.4
SCL: length 80.6
  Top w0.2: 36.83,133.96 40.62,133.96 v1(42.55,135.89)
  Bottom w0.2: J2.3 13.34,120.65 15.24,122.56 33.51,122.56 33.62,122.67 33.62,132.67 34.91,133.96 36.83,133.96 ; U1.1 47.63,145.41 42.95,140.74 42.95,136.3 v1(42.55,135.89) 42.55,130.72 R4.2 43.72,129 45.72,127 Brd1.3
SDA: length 89.9
  Top w0.2: v1(44.23,140.12) 41.82,140.12 38.86,137.16 37.49,137.16 M2.5 28.58,136.5 28.58,123.83 19.05,123.83 15.88,120.65 15.88,118.75 ; v1(43.72,136.53) 45.09,136.53 48.26,133.35 Brd1.4
  Bottom w0.2: U1.2 48.26,144.15 v1(44.23,140.12) 43.72,139.6 R3.2 v1(43.72,136.53)
Net-(D1-A): length 20.5
  Top w0.2: v1(29.21,83.82) 34.92,83.82 D1.2 ; SW1.2 v1(26.67,83.82)
  Bottom w0.2: v1(26.67,83.82) v1(29.21,83.82)
Net-(D2-A): length 13.3
  Bottom w0.2: SW2.2 D2.2
Net-(D3-A): length 13.3
  Bottom w0.2: SW3.2 D3.2
Net-(D4-A): length 13.3
  Top w0.2: v1(30.48,59.69) D4.2
  Bottom w0.2: SW4.2 v1(30.48,59.69)
Net-(D5-A): length 13.3
  Top w0.2: v1(48.89,59.69) D5.2
  Bottom w0.2: SW5.2 v1(48.89,59.69)
Net-(D6-A): length 13.3
  Top w0.2: SW6.2 D6.2
Net-(D7-A): length 13.3
  Top w0.2: SW7.2 D7.2
Net-(D8-A): length 29.8
  Top w0.2: v1(48.89,48.9) v1(53.98,48.9)
  Bottom w0.2: v1(48.89,48.9) 48.89,40.64 SW8.2 ; v1(53.98,48.9) D8.2
Net-(D9-A): length 12.7
  Top w0.2: SW9.2 D9.2
Net-(D10-A): length 13.3
  Bottom w0.2: D10.2 SW10.2
Net-(D11-A): length 14
  Bottom w0.2: SW11.2 D11.2
Net-(D12-A): length 13.3
  Bottom w0.2: D12.2 SW12.2
Net-(LED1-DOUT): length 27
  Bottom w0.2: LED1.2 12.61,133.41 3.45,124.25 3.45,119.25 7.71,114.99 LED2.4
Net-(LED2-DOUT): length 42.9
  Top w0.2: v1(6.2,106.5) 7.7,108 v1(12.7,108)
  Bottom w0.2: v1(6.2,106.5) 3.95,104.25 3.95,95 7.71,91.24 LED3.4 ; LED2.2 12.61,108.09 v1(12.7,108)
Net-(LED3-DOUT): length 24.8
  Bottom w0.2: LED3.2 12.61,54.18 LED4.4
Net-(LED5-DOUT): length 11.5
  Bottom w0.2: LED5.2 12.61,16.8 LED6.4
Net-(LED6-DOUT): length 71.9
  Bottom w0.2: LED6.2 34.67,8.51 37.47,5.72 80.01,5.72 81.19,6.9 LED7.4
Net-(LED7-DOUT): length 11.4
  Bottom w0.2: LED8.4 76.29,16.31 LED7.2
Net-(LED10-DIN): length 24.1
  Bottom w0.2: LED9.2 76.29,67.11 LED10.4
Net-(LED10-DOUT): length 41.7
  Bottom w0.2: LED10.2 76.29,81.59 84.45,89.75 84.45,110.25 84.33,110.36 LED11.4
Net-(LED11-DOUT): length 27.5
  Bottom w0.2: LED11.2 76.2,114.5 76.95,115.25 80.95,115.25 83.45,117.75 83.45,121.5 81.19,123.76 LED12.4
Net-(LED13-DOUT): length 71.9
  Bottom w0.2: LED14.4 9.94,146.75 29.2,146.75 30.95,148.5 72.32,148.5 LED13.2
Net-(LED14-DOUT): length 62.9
  Top w0.2: v1(50.95,137.75) 45.45,137.75 44.7,138.5 v1(41.65,138.5) ; v1(38.2,139.74) 37.69,140.25 29.7,140.25 v1(28.35,141.6) ; v1(63.95,137) 66.2,137 v1(69.2,140)
  Bottom w0.2: v1(63.95,137) 55.95,137 55.2,137.75 v1(50.95,137.75) ; v1(38.2,139.74) 40.8,139.74 41.65,138.88 v1(41.65,138.5) ; v1(28.35,141.6) 26.1,141.6 24.45,143.25 14.64,143.25 LED14.2 ; v1(69.2,140) 69.76,140.56 LED15.4
Net-(LED15-DOUT): length 11.7
  Bottom w0.2: LED16.4 67.31,137.32 67.31,141.89 64.86,144.34 LED15.2
Net-(LED17-DOUT): length 6.4
  Bottom w0.2: LED18.4 20.47,137.65 LED17.2
Net-(LED18-DOUT): length 130.7
  Top w0.2: LED19.4 1.2,27.72 1.2,120.25 4.7,123.75 v1(5.95,123.75)
  Bottom w0.2: v1(5.95,123.75) 13.7,123.75 24.2,134.25 24.1,134.35 LED18.2
Net-(LED19-DOUT): length 23.5
  Top w0.2: LED19.2 11.2,25.92 11.2,29.25 7.71,32.74 LED20.4
Net-(LED21-DOUT): length 107.9
  Top w0.2: v1(73.2,23.75) 75.74,21.21 LED22.4 ; v1(48.7,30) 48.7,32.25 50.95,34.5 50.95,44.5 50.45,45 45.45,45 45.45,50.5 37.7,50.5 37.7,61.25 v1(30.95,61.25) ; LED21.2 16.89,75.31 v1(26.7,65.5) ; v1(71.2,25.75) 66.95,30 v1(64.45,30)
  Bottom w0.2: v1(30.95,61.25) 30.95,62.25 27.7,65.5 v1(26.7,65.5) ; v1(73.2,23.75) v1(71.2,25.75) ; v1(48.7,30) v1(64.45,30)
Net-(LED22-DOUT): length 33.8
  Top w0.2: LED23.4 76.29,45.41 78.2,43.5 85.2,43.5 85.45,43.25 85.45,25.25 84.71,24.51 LED22.2
Net-(LED23-DOUT): length 24.1
  Top w0.2: LED23.2 81.19,67.11 LED24.4

## Copper pours and planes (outline as drawn; the poured copper is in the pictures)
5V on Top: 95.25,152.4 95.25,-7.62 -7.62,-7.62 -7.62,152.4
GND on Bottom: 95.25,154.31 95.25,-5.72 -7.62,-5.72 -7.62,154.31

## Text on the board
B.Silkscreen: Souptik
Top: Souptik
F.Mask: Souptik
F.Silkscreen: Souptik
